# Altium PCB ESC_type_6_000.PcbDoc (part 3 of 3)
Units mil, origin at the board's own origin, x right, y up, seen from the top; angles counter-clockwise.
Board outline 2362.34 x 2362.34 mil, 4 copper layers (Top Layer, Signal Layer 1, Signal Layer 2, Bottom Layer), stack 65.634 mil thick; 137 components, 109 nets, 523 pads, 654 vias.
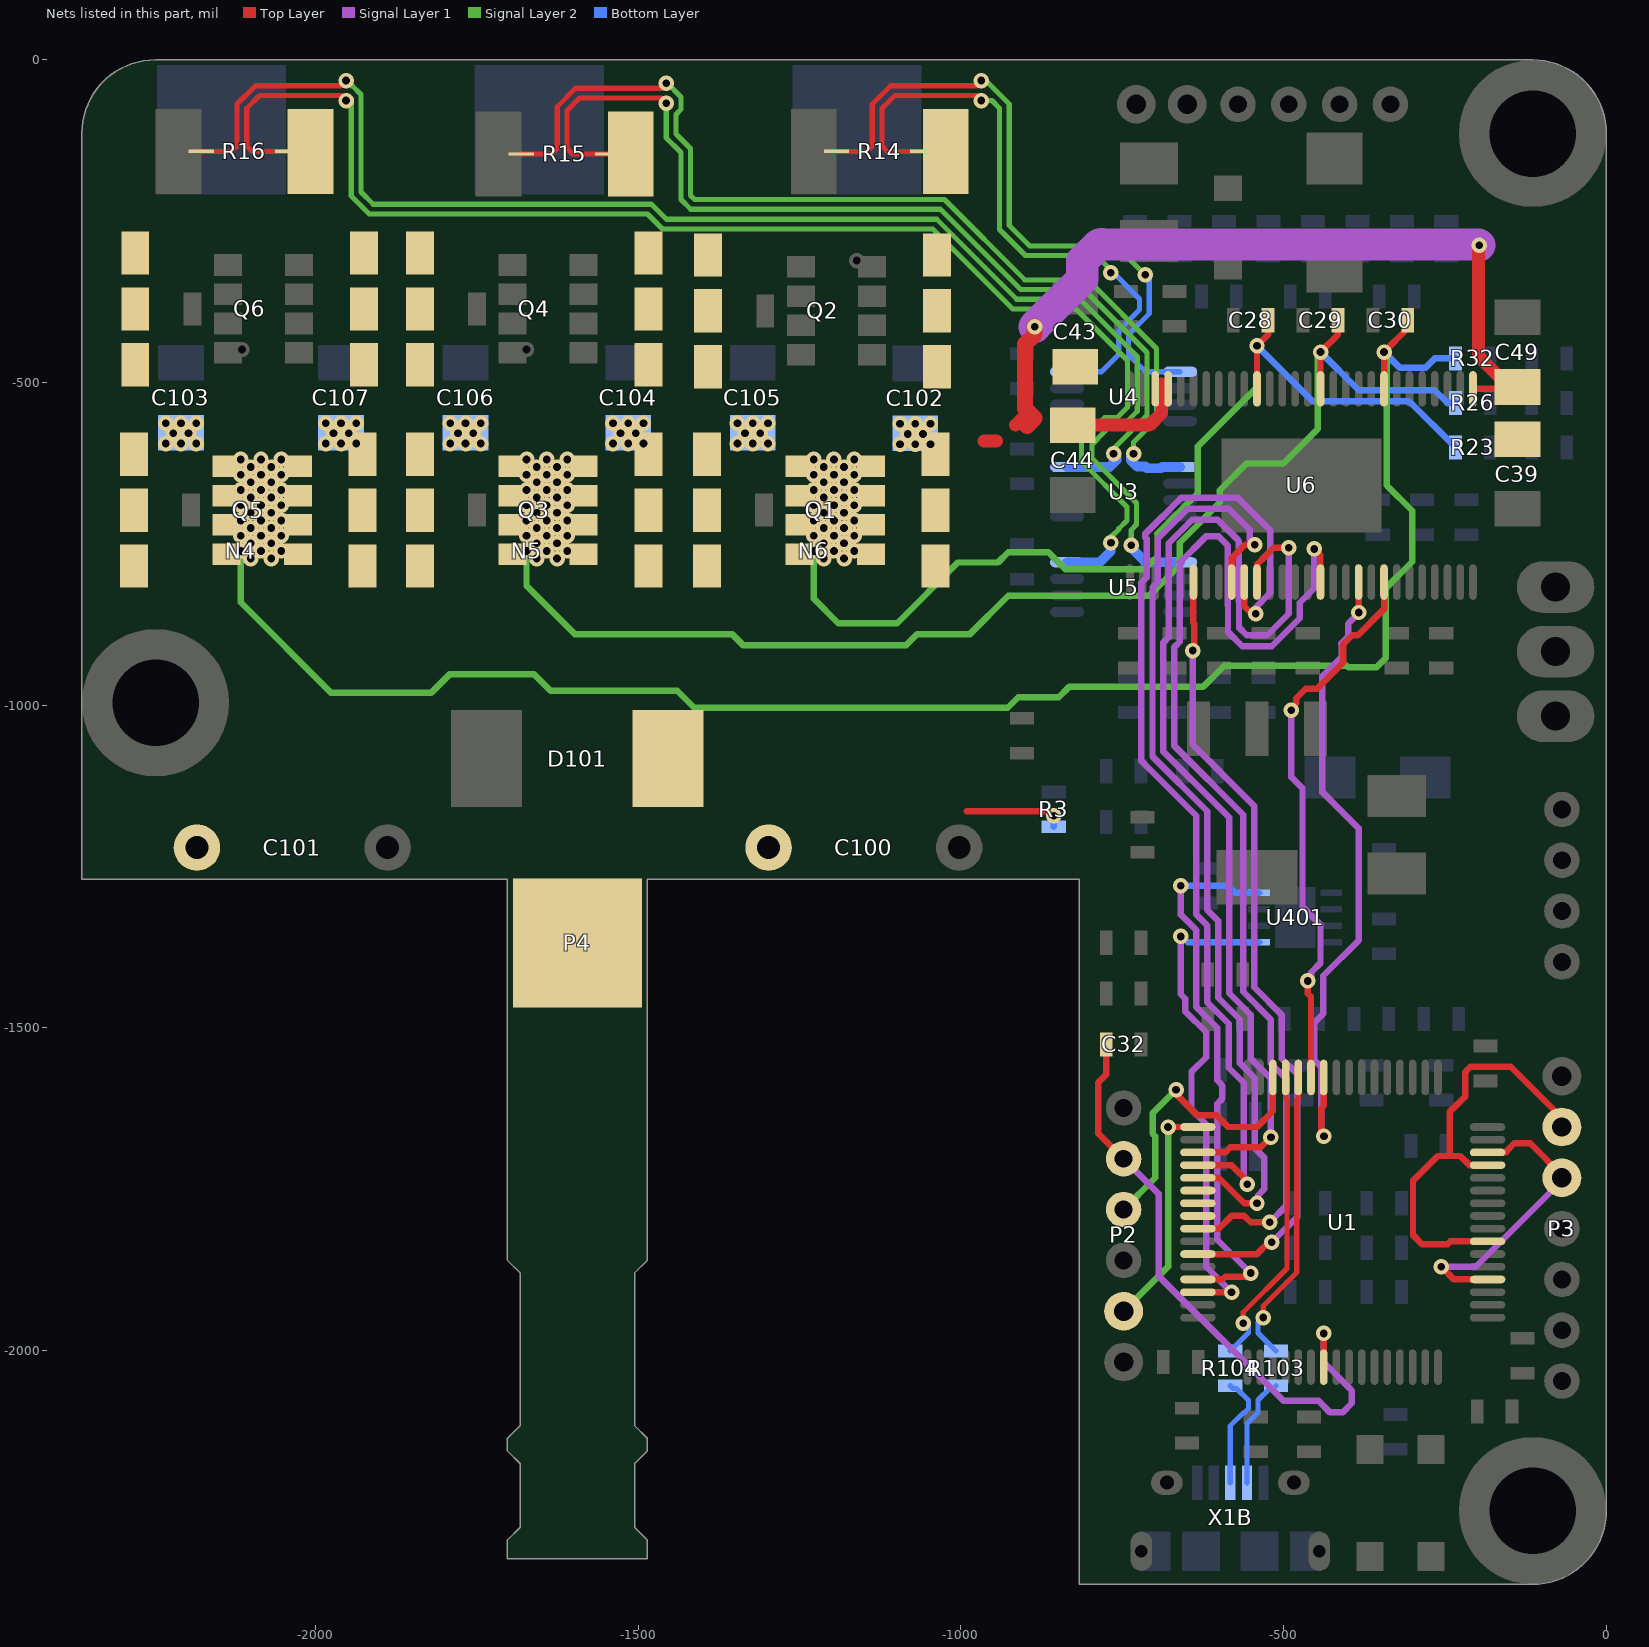
[diagram p5: the nets of this part, all layers, seen from the top]

## Via types
v1: diameter 24, hole 12, Top Layer to Bottom Layer, tented both sides, 654 vias

## Nets (pads, with @x,y where several pads share a name; then routed paths per layer and width w, separated by ;. In a path a pad name is that pad's centre, name@x,y a point inside that pad or via, vN(x,y) a via of type N, cw(c..) or ccw(c..) an arc to the next point about the centre after c; other vN are vias at no path point) (continued)
NetU1_42: U1.42 U6.19 | length 1062
  Top Layer w10: U1.42@-437.99,-1604.06 U1.42@-437.99,-1576.77 -437.68,-1577.08 -437.68,-1620.81 -441.8,-1624.93 -441.8,-1663.54 v1(-437.68,-1667.66) ; v1(-383.86,-856.3) U6.19@-383.86,-809.06
  Signal Layer 1 w10: v1(-437.68,-1667.66) -441.8,-1663.54 -441.8,-1560.64 -452.76,-1549.69 -452.76,-1492.13 -438.6,-1477.97 -438.6,-1419.12 -383.86,-1364.38 -383.86,-1190.94 -439.89,-1134.91 -439.89,-955 -410.19,-925.3 -410.19,-905.41 -410.8,-904.8 -410.8,-904 -399.92,-893.11 -399.92,-873.43 -383.86,-857.37 v1(-383.86,-856.3)
NetU1_43: U1.43 U6.21 | length 868.2
  Top Layer w10: v1@-488.19,-1004.45 -480.5,-996.76 -480.5,-989.12 -465.79,-974.41 -448.34,-974.41 -407.86,-933.92 -407.86,-905.41 -393.8,-891.35 -384.97,-891.35 -344.49,-850.87 U6.21@-344.49,-809.06 ; v1(-462.6,-1427.16) -462.6,-1446.85 -457.68,-1451.77 U1.43@-457.68,-1576.77
  Signal Layer 1 w10: v1(-488.19,-1007.87) -488.19,-1111.31 -470.81,-1128.68 -470.81,-1312.45 -442.91,-1340.34 -442.91,-1399.4 -457.23,-1413.71 -457.23,-1421.79 v1(-462.6,-1427.16)
NetU1_51: U1.51 U6.11 | length 1645.3
  Top Layer w10: U1.51@-632.87,-1692.91 -590.55,-1692.91 -582.68,-1685.04 -535.44,-1685.04 v1(-519.68,-1669.29) ; U6.11@-541.24,-781.87 -539.56,-780.19 -539.56,-779.98 -529.07,-769.5 -528.86,-769.5 -515.27,-755.91 v1(-492.13,-755.91)
  Signal Layer 1 w10: v1(-519.68,-1669.29) -519.68,-1578.92 -551.18,-1547.43 -551.18,-1479.66 -584.45,-1446.39 -584.45,-1174.08 -686.29,-1072.24 -686.29,-902.78 -678.22,-894.71 -678.22,-749.09 -641.73,-712.6 -602.38,-712.6 -570.87,-744.1 -569.46,-745.51 -569.46,-839.09 -569.24,-839.31 -569.24,-879.58 -557.35,-891.46 -525.32,-891.46 -492.13,-858.27 v1(-492.13,-755.91)
NetU1_52: U1.52 U6.10 | length 1615.3
  Top Layer w10: U1.52@-632.87,-1712.6 -580.71,-1712.6 -551.18,-1742.13 v1(-556.57,-1742.13) ; U6.10@-561.02,-809.06 -561.02,-846.46 -549.21,-858.27 v1(-543.31,-858.27)
  Signal Layer 1 w10: v1(-556.57,-1742.13) -561.76,-1736.95 -561.76,-1584.94 -585.18,-1561.51 -585.18,-1493.74 -618.45,-1460.47 -618.45,-1341.28 -635.45,-1324.28 -635.45,-1171.16 -720.47,-1086.14 -720.47,-810.18 -712.22,-801.93 -712.22,-742.03 -714.19,-740.06 -714.19,-733.87 -658.91,-678.6 -571.4,-678.6 -520.8,-729.2 -520.8,-825.92 -543.31,-848.42 v1(-543.31,-858.27)
NetU1_53: U1.53 U6.9 | length 1487.4
  Top Layer w10: U1.53@-632.87,-1732.28 -600.39,-1732.28 -561.02,-1771.65 v1(-541.34,-1771.65) ; U6.9@-580.71,-809.06 -580.71,-772.13 -559.86,-751.28 v1(-544.8,-751.28)
  Signal Layer 1 w10: v1(-544.8,-751.28) -544.94,-751.28 -552.46,-743.76 -552.46,-728.19 -585.06,-695.6 -648.77,-695.6 -695.22,-742.04 -695.22,-808.97 -703.29,-817.04 -703.29,-1079.28 -618.45,-1164.12 -618.45,-1317.24 -601.45,-1334.24 -601.45,-1453.43 -568.18,-1486.7 -568.18,-1554.47 -544.76,-1577.89 -544.76,-1686.08 -529.87,-1700.97 -529.87,-1749.36 -539.57,-1759.07
NetU1_54: U1.54
NetU1_55: U1.55
NetU1_56: U1.56
NetU1_57: U1.57 U6.16 | length 1773
  Top Layer w10: U1.57@-632.87,-1811.02 -600.39,-1811.02 -580.71,-1791.34 -561.02,-1791.34 -551.18,-1801.18 v1(-521.65,-1801.18) ; v1(-452.76,-757.87) -442.91,-767.72 U6.16@-442.91,-809.06
  Signal Layer 1 w10: v1(-521.65,-1801.18) -495.68,-1775.21 -495.68,-1578.88 -519.87,-1554.7 -519.87,-1486.93 -562.65,-1444.15 -562.65,-1169.76 -669.29,-1063.12 -669.29,-909.83 -661.22,-901.75 -661.22,-779.31 -620.4,-738.5 -600.52,-738.5 -586.46,-752.55 -586.46,-846.13 -586.24,-846.36 -586.24,-886.63 -564.4,-908.46 -518.28,-908.46 -475.13,-865.31 -475.13,-841.27 -452.76,-818.9 v1(-452.76,-757.87)
NetU1_59: U1.59 U6.6 | length 1217
  Top Layer w10: U6.6@-639.76,-809.06 -639.76,-872.37 -638.59,-873.54 -638.59,-903.17 ; U1.59@-632.87,-1850.39 -541.34,-1850.39 -523.13,-1832.18 v1(-518.45,-1832.18)
  Signal Layer 1 w10: v1(-640.88,-915.35) -640.88,-1060.91 -545.65,-1156.14 -545.65,-1437.1 -502.87,-1479.89 -502.87,-1547.66 -478.68,-1571.84 -478.68,-1792.42 v1(-518.45,-1832.18)
NetU1_61: U1.61 U401.4 | length 863.6
  Top Layer w10: U1.61@-632.87,-1889.76 -594.96,-1889.76 -590.65,-1885.45 -556.71,-1885.45 v1(-551.18,-1879.92)
  Signal Layer 1 w10: v1(-659.45,-1279.53) -659.45,-1324.32 -635.45,-1348.32 -635.45,-1467.52 -603.08,-1499.89 -603.08,-1581.22 -594.83,-1589.47 -594.83,-1609.35 -603.08,-1617.6 -603.08,-1828.02 v1(-551.18,-1879.92)
  Bottom Layer w10: v1(-659.45,-1279.53) -586.19,-1279.53 -575.37,-1290.35 U401.4@-538.19,-1290.35
NetU1_62: U1.62 U401.1 | length 779.7
  Top Layer w10: U1.62@-632.87,-1909.45 v1(-580.71,-1909.45)
  Signal Layer 1 w10: v1(-659.45,-1358.26) -659.45,-1447.87 -652.45,-1454.87 -652.45,-1474.56 -620.08,-1506.93 -620.08,-1545.28 -642.83,-1568.03 -642.83,-1626.37 -620.08,-1649.13 -620.08,-1870.08 v1(-580.71,-1909.45)
  Bottom Layer w10: v1(-659.45,-1358.26) -657.48,-1358.26 -648.62,-1367.13 U401.1@-538.19,-1367.13
NRST: C32.2 P2.5 U1.7 | length 974.4
  Top Layer w10: C32.2@-775.03,-1525.59 -775.03,-1572.28 -787.4,-1584.65 -787.4,-1607.25 -787.59,-1607.44 -787.59,-1663.2 P2.5@-748.03,-1702.76 ; U1.7@-437.99,-2025.59 v1(-437.99,-1973.43)
  Signal Layer 1 w10: P2.5@-748.03,-1702.76 -693.83,-1756.96 -693.83,-1884.34 -500.71,-2077.46 -446.64,-2077.46 -428.25,-2095.85 -408.37,-2095.85 -394.31,-2081.79 -394.31,-2061.91 -437.99,-2018.22 v1(-437.99,-1973.43)
RX_SCL_MOSI: P3.6 U1.23 U1.29 | length 685.4
  Top Layer w10: U1.23@-184.06,-1830.71 -241.65,-1830.71 -245.96,-1835.02 -285.53,-1835.02 -299.59,-1820.96 -299.59,-1736.6 -261.43,-1698.44 -243.86,-1698.44 ; U1.29@-184.06,-1712.6 -212.22,-1712.6 -212.22,-1712.5 -226.28,-1698.44 -243.86,-1698.44 ; P3.6@-68.9,-1653.54 -68.9,-1639.34 -147.97,-1560.28 -210.68,-1560.28 -218.79,-1568.38 -218.79,-1606.3 -242.92,-1630.43 -242.92,-1697.51 -243.86,-1698.44
SH_A: C28.2 N6.1 N6.2 Q1.S Q2.D R14.1 R23.2 U6.46 | length 1563.9
  Top Layer w10: U6.46@-541.34,-509.84 v1(-541.34,-442.91) -524.18,-425.76 C28.2@-524.18,-403.54
  Signal Layer 2 w10: N6.1@-1228.35,-760.83 -1228.35,-834.65 -1190.23,-872.76 -1098.84,-872.76 -1004.91,-778.83 -942.82,-778.83 -926.82,-762.83 -864.52,-762.83 -838.32,-789.03 -715.3,-789.03 -695.22,-768.95 -695.22,-734.98 -695.7,-734.5 -632.93,-671.73 -632.93,-598.99 -541.34,-507.4 v1(-541.34,-442.91)
  Bottom Layer w10: v1(-541.34,-442.91) -455.44,-528.81 -305.28,-528.81 R23.2@-233.69,-600.39
  other v1: -1212.6,-772.64 -1181.1,-772.64 -1196.85,-760.83 -1165.35,-760.83 -1212.6,-749.02 -1181.1,-749.02 -1228.35,-737.2 -1196.85,-737.2 -1165.35,-737.2 -1212.6,-725.39 -1181.1,-725.39 -1228.35,-713.58 -1196.85,-713.58 -1165.35,-713.58 -1212.6,-701.77 -1181.1,-701.77 -1228.35,-689.96 -1196.85,-689.96 -1165.35,-689.96 -1212.6,-678.15 -1181.1,-678.15 -1228.35,-666.34 -1196.85,-666.34 -1165.35,-666.34 -1212.6,-654.53 -1181.1,-654.53 -1228.35,-642.72 -1196.85,-642.72 -1165.35,-642.72 -1212.6,-630.91 -1181.1,-630.91 -1228.35,-619.09 -1196.85,-619.09 -1165.35,-619.09
SH_A_N: R14.4 U4.1 | length 1027.5
  Top Layer w8: R14.4@-1192.91,-141.73 -1145.67,-141.73 -1137.42,-133.48 -1137.42,-68.59 -1108.95,-40.12 -976.38,-40.12 -968.5,-32.24 v1(-968.5,-32.12)
  Signal Layer 2 w8: v1(-968.5,-32.12) -961.67,-32.12 -925.2,-68.59 -925.2,-256.65 -893.7,-288.15 -759.36,-288.15 v1(-714.67,-332.84)
  Bottom Layer w8: v1(-714.67,-332.84) -708.21,-339.3 -708.21,-393.24 -740.53,-425.57 -740.53,-456.69 -713.96,-483.27 U4.1@-660.43,-483.27
SH_A_P: R14.3 U4.8 | length 966.8
  Top Layer w8: R14.3@-1059.06,-141.73 -1114.17,-141.73 -1122.42,-133.48 -1122.42,-74.8 -1102.74,-55.12 -976.38,-55.12 -968.5,-62.99 v1(-968.5,-63.12)
  Signal Layer 2 w8: v1(-968.5,-63.12) -951.88,-63.12 -940.2,-74.8 -940.2,-262.87 -899.91,-303.15 -790.65,-303.15 -768.09,-325.7 v1(-768.09,-329.98)
  Bottom Layer w8: U4.8@-835.63,-483.27 -782.11,-483.27 -755.53,-456.69 -755.53,-419.36 -723.21,-387.03 -723.21,-370.59 -763.81,-329.98 v1(-768.09,-329.98)
SH_B: C29.2 N5.1 N5.2 Q3.S Q4.D R15.1 R26.2 U6.41 | length 1968.8
  Top Layer w10: U6.41@-442.91,-509.84 v1(-442.91,-452.76) -415.91,-425.76 C29.2@-415.91,-403.54
  Signal Layer 2 w10: N5.1@-1673.23,-760.83 -1673.23,-814.96 -1598.43,-889.76 -1354.75,-889.76 -1337.75,-906.76 -1084.76,-906.76 -1067.76,-889.76 -985.99,-889.76 -926.73,-830.51 -708.7,-830.51 -661.22,-783.03 -661.22,-748.1 -598.93,-685.81 -598.93,-666.7 -557.68,-625.45 -500.72,-625.45 -447.23,-571.95 -447.23,-457.07 v1(-442.91,-452.76)
  Bottom Layer w10: v1(-442.91,-452.76) -383.86,-511.81 -265.75,-511.81 -246.06,-531.5 R26.2@-233.69,-531.5
  other v1: -1657.48,-772.64 -1625.98,-772.64 -1641.73,-760.83 -1610.24,-760.83 -1657.48,-749.02 -1625.98,-749.02 -1673.23,-737.2 -1641.73,-737.2 -1610.24,-737.2 -1657.48,-725.39 -1625.98,-725.39 -1673.23,-713.58 -1641.73,-713.58 -1610.24,-713.58 -1657.48,-701.77 -1625.98,-701.77 -1673.23,-689.96 -1641.73,-689.96 -1610.24,-689.96 -1657.48,-678.15 -1625.98,-678.15 -1673.23,-666.34 -1641.73,-666.34 -1610.24,-666.34 -1657.48,-654.53 -1625.98,-654.53 -1673.23,-642.72 -1641.73,-642.72 -1610.24,-642.72 -1657.48,-630.91 -1625.98,-630.91 -1673.23,-619.09 -1641.73,-619.09 -1610.24,-619.09
SH_B_N: R15.4 U3.1 | length 1597.6
  Top Layer w8: R15.4@-1681.1,-145.67 -1633.86,-145.67 -1625.61,-137.42 -1625.61,-72.53 -1597.14,-44.06 -1464.57,-44.06 -1456.69,-36.18 v1(-1456.69,-36.06)
  Signal Layer 2 w8: v1(-1456.69,-36.06) -1455.17,-36.06 -1433.69,-57.53 -1433.69,-76.58 -1441.69,-84.58 -1441.69,-114.85 -1419.06,-137.49 -1419.06,-210 -1412.52,-216.54 -1025.56,-216.54 -901.27,-340.83 -803.16,-340.83 -696.91,-447.09 -696.91,-472.31 -696.85,-472.36 -696.85,-556.8 -732.53,-592.48 v1(-732.53,-610.24)
  Bottom Layer w15: v1(-732.53,-610.24) -737.03,-614.74 -737.03,-620.08 -727.11,-630 -714.56,-630 -711.76,-632.8 -689.81,-632.8 -687.92,-630.91 U3.1@-660.43,-630.91
SH_B_P: R15.3 U3.8 | length 1552.2
  Top Layer w8: R15.3@-1547.24,-145.67 -1602.36,-145.67 -1610.61,-137.42 -1610.61,-78.74 -1590.93,-59.06 -1464.57,-59.06 -1456.69,-66.93 v1(-1456.69,-67.06)
  Signal Layer 2 w8: v1(-1456.69,-67.06) -1456.69,-121.06 -1434.06,-143.7 -1434.06,-216.21 -1418.73,-231.54 -1031.78,-231.54 -907.49,-355.83 -809.38,-355.83 -711.91,-453.3 -711.91,-550.64 -771.5,-610.24 v1(-763.53,-610.24)
  Bottom Layer w15: U3.8@-835.63,-630.91 -769.86,-630.91 -759.03,-620.08 -759.03,-614.74 v1(-763.53,-610.24)
SH_C: C30.2 N4.1 N4.2 Q5.S Q6.D R16.1 R32.2 U6.36 | length 2736.8
  Top Layer w10: U6.36@-344.49,-509.84 v1(-344.49,-452.76) -307.65,-415.91 C30.2@-307.65,-403.54
  Signal Layer 2 w10: N4.1@-2116.14,-760.83 -2116.14,-840.55 -1976.38,-980.31 -1820.58,-980.31 -1791.95,-951.68 -1662.1,-951.68 -1636.03,-977.76 -1439.5,-977.76 -1413.39,-1003.88 -927.57,-1003.88 -911.36,-987.67 -848.5,-987.67 -832.52,-971.7 -625.1,-971.7 -592.16,-938.76 -402.07,-938.76 -399.52,-941.32 -356.2,-941.32 -342.14,-927.26 -342.14,-818.99 -300.8,-777.66 -300.8,-698.72 -340.17,-659.35 -340.17,-457.07 v1(-344.49,-452.76)
  Bottom Layer w10: v1(-344.49,-452.76) -320.49,-476.76 -279.91,-476.76 -265.75,-462.6 R32.2@-233.69,-462.6
  other v1: -2100.39,-772.64 -2068.9,-772.64 -2084.65,-760.83 -2053.15,-760.83 -2100.39,-749.02 -2068.9,-749.02 -2116.14,-737.2 -2084.65,-737.2 -2053.15,-737.2 -2100.39,-725.39 -2068.9,-725.39 -2116.14,-713.58 -2084.65,-713.58 -2053.15,-713.58 -2100.39,-701.77 -2068.9,-701.77 -2116.14,-689.96 -2084.65,-689.96 -2053.15,-689.96 -2100.39,-678.15 -2068.9,-678.15 -2116.14,-666.34 -2084.65,-666.34 -2053.15,-666.34 -2100.39,-654.53 -2068.9,-654.53 -2116.14,-642.72 -2084.65,-642.72 -2053.15,-642.72 -2100.39,-630.91 -2068.9,-630.91 -2116.14,-619.09 -2084.65,-619.09 -2053.15,-619.09
SH_C_N: R16.4 U5.1 | length 2240.9
  Top Layer w8: R16.4@-2177.17,-141.73 -2129.92,-141.73 -2121.67,-133.48 -2121.67,-68.59 -2093.2,-40.12 v1@-1960.63,-40.12
  Signal Layer 2 w8: v1(-1952.76,-32.12) -1944.76,-40.12 -1943.23,-40.12 -1929.76,-53.59 -1929.76,-204.54 -1910.7,-223.6 -1479.7,-223.6 -1456.25,-247.05 -1037.48,-247.05 -913.7,-370.83 -815.59,-370.83 -726.91,-459.51 -726.91,-544.43 -751.98,-569.5 -771.5,-569.5 -778.53,-576.52 -778.53,-577.14 -797.22,-595.82 -797.22,-617.2 -727.89,-686.52 -727.89,-720.02 -736.22,-728.35 v1(-736.22,-751.97)
  Bottom Layer w15: v1@-737.91,-753.66 -713.02,-778.54 U5.1@-660.43,-778.54
SH_C_P: R16.3 U5.8 | length 2213.9
  Top Layer w8: R16.3@-2043.31,-141.73 -2098.43,-141.73 -2106.67,-133.48 -2106.67,-74.8 -2086.99,-55.12 -1960.63,-55.12 -1952.76,-62.99 v1(-1952.76,-63.12)
  Signal Layer 2 w8: v1(-1952.76,-63.12) -1947.49,-57.85 -1944.76,-60.58 -1944.76,-210.76 -1916.91,-238.6 -1485.91,-238.6 -1462.46,-262.05 -1043.69,-262.05 -919.91,-385.83 -821.8,-385.83 -741.91,-465.72 -741.91,-538.21 -758.19,-554.5 -777.72,-554.5 -813.3,-590.08 -813.3,-622.05 -813.58,-622.05 -742.89,-692.74 -742.89,-713.8 -755.65,-726.57 -755.65,-727.48 -765.03,-736.85 -765.94,-736.85 -769.19,-740.1 -767.72,-741.57 v1(-767.72,-748.03)
  Bottom Layer w15: U5.8@-835.63,-778.54 -785.36,-778.54 -767.72,-760.9 v1(-767.72,-748.03)
SWCLK: P2.2 U1.49 | length 360.2
  Top Layer w10: v1(-679.13,-1653.54) -669.29,-1653.54 U1.49@-632.87,-1653.54
  Signal Layer 2 w10: P2.2@-748.03,-1938.98 -679.13,-1870.08 v1(-679.13,-1653.54)
SWDIO: P2.4 U1.46 | length 462.8
  Top Layer w10: v1(-666.83,-1595.96) -666.83,-1602.37 -633.57,-1635.64 -603.8,-1635.64 -585.9,-1653.54 -541.34,-1653.54 -516.73,-1628.94 U1.46@-516.73,-1576.77
  Signal Layer 2 w10: P2.4@-748.03,-1781.5 -698.82,-1732.28 -698.82,-1667.79 -703.13,-1663.48 -703.13,-1632.26 v1(-666.83,-1595.96)
TX_SDA_NSS: P3.5 U1.20 U1.30 | length 473.6
  Top Layer w10: v1(-255.91,-1870.08) -236.22,-1889.76 U1.20@-184.06,-1889.76 ; U1.30@-184.06,-1692.91 -154.8,-1692.91 -154.8,-1690.94 -142.6,-1678.75 -118.01,-1678.75 -68.9,-1727.87 P3.5@-68.9,-1732.28
  Signal Layer 1 w10: v1(-255.91,-1870.08) -202.28,-1870.08 -68.9,-1736.7 P3.5@-68.9,-1732.28
USB_D_N: R103.2 U1.44 | length 461.2
  Top Layer w8: v1(-531.74,-1948.82) -531.74,-1930.91 -479.7,-1878.87 -479.7,-1610.67 -477.36,-1608.33 U1.44@-477.36,-1576.77
  Bottom Layer w8: v1(-531.74,-1948.82) -539.74,-1956.82 -539.74,-1972.63 R103.2@-511.81,-2000.56
USB_D_P: R104.2 U1.45 | length 473.4
  Top Layer w8: v1(-562.74,-1957.45) -562.74,-1940.7 -494.7,-1872.66 -494.7,-1610.67 -497.05,-1608.33 U1.45@-497.05,-1576.77
  Bottom Layer w8: R104.2@-582.68,-2000.56 -554.74,-1972.63 -554.74,-1956.82 -555.37,-1957.45 v1(-562.74,-1957.45)
USB_N: R103.1 X1B.2 | length 172.3
  Bottom Layer w8: X1B.2@-557.09,-2204.72 -557.09,-2167.13 -557.09,-2113.73 -539.74,-2096.39 -539.74,-2076.77 -521.53,-2058.56 -515.81,-2058.56 R103.1@-511.81,-2054.56
USB_P: R104.1 X1B.3 | length 177.6
  Bottom Layer w8: X1B.3@-582.68,-2204.72 -582.68,-2167.13 -582.68,-2116.58 -562.55,-2096.46 -561.02,-2096.46 -554.74,-2090.18 -554.74,-2076.77 -572.96,-2058.56 -578.68,-2058.56 R104.1@-582.68,-2054.56
VBATT: C39.1 C43.2 C44.2 C49.1 C100.1 C101.1 C102.1 C103.1 C104.2 C105.2 C106.1 C107.1 D101.K P4.1 Q1.D Q3.D Q5.D R3.2 U6.29 U6.53 U6.54 | length 1631.9
  Top Layer w10: -991.04,-1164.47 -863.09,-1164.47 v1(-856.3,-1171.26) ; U6.29@-206.69,-509.84 -140.75,-509.84 C49.1@-137.8,-506.89
  Top Layer w20: -964.57,-590.55 -944.88,-590.55 ; -915.35,-565.94 -905.51,-556.1 ; C44.2@-826.77,-565.94 -707.68,-565.94 -688.98,-547.24 -688.98,-501.97 ; v1(-196.85,-287.4) -198.23,-288.78 -198.23,-459.25 -150.59,-506.89 C49.1@-137.8,-506.89
  Top Layer w25: -897.64,-566.93 -885.83,-555.12 -900.96,-539.99 -900.96,-440.72 -885.83,-425.59 v1(-885.83,-413.39)
  Signal Layer 1 w50: v1(-885.83,-413.39) -812.09,-339.65 -812.09,-311.76 -786.32,-285.98 -782.04,-285.98 -781.49,-285.43 -780.94,-285.98 -198.27,-285.98 v1(-196.85,-287.4)
  Bottom Layer w10: R3.2@-856.3,-1188.42 v1(-856.3,-1171.26)
  other v1: -1094.49,-595.47 -1070.87,-595.47 -1047.24,-595.47 -2232.28,-594.49 -2208.66,-594.49 -2185.04,-594.49 -1984.25,-594.49 -1960.63,-594.49 -1937.01,-594.49 -1791.34,-594.49 -1767.72,-594.49 -1744.09,-594.49 -1539.37,-594.49 -1515.75,-594.49 -1492.13,-594.49 -1346.46,-594.49 -1322.83,-594.49 -1299.21,-594.49 -1082.68,-579.72 -1059.06,-579.72 -2220.47,-578.74 -2196.85,-578.74 -1972.44,-578.74 -1948.82,-578.74 -1779.53,-578.74 -1755.91,-578.74 -1527.56,-578.74 -1503.94,-578.74 -1334.65,-578.74 -1311.02,-578.74 -1094.49,-563.98 -1070.87,-563.98 -1047.24,-563.98 -2232.28,-562.99 -2208.66,-562.99 -2185.04,-562.99 -1984.25,-562.99 -1960.63,-562.99 -1937.01,-562.99 -1791.34,-562.99 -1767.72,-562.99 -1744.09,-562.99 -1539.37,-562.99 -1515.75,-562.99 -1492.13,-562.99 -1346.46,-562.99 -1322.83,-562.99 -1299.21,-562.99
pads on no net: M1.1 M2.1 M3.1 P2.6 U1.2 U1.3 U1.4 U1.28 U1.50 U3.4 U4.4 U5.4 U6.4 U6.5 U6.12 U6.25 U6.26 U6.55 X1B.4

## Polygon pours and split planes (outlines as drawn)
NetP7_1 on Bottom Layer "Top Layer-No Net" (solid, remove dead copper, pour order 47): -1934.06,13.78 -1934.06,-244.09 -1933.07,-245.08 -1478.35,-245.08 -1476.38,-243.11 -1476.38,23.62 -1491.14,38.39
NetP6_1 on Bottom Layer "Top Layer-No Net" (solid, remove dead copper, pour order 45): -2373.03,-245.08 -1973.43,-245.08 -1971.46,-243.11 -1971.46,19.68 -1996.06,44.29 -2018.7,21.65 -2385.83,21.65 -2393.7,13.78
GND on Bottom Layer "GND_L04_P016" (solid, remove dead copper, pour order 14): -974.41,-2549.21 -974.41,29.53 108.27,29.53 118.11,39.37 59.06,-19.68 59.06,-2716.54 -807.09,-2716.54
GND on Bottom Layer "Bottom Layer-No Net" (solid, remove dead copper, pour order 31): -2366.14,-1318.9 -2377.95,-1307.09 -2377.95,-248.03 -972.44,-248.03 -972.44,-1460.63
GND on Top Layer "GND_L01_P010" (solid, remove dead copper, pour order 27): -935.04,-1269.68 -935.04,49.21 167.32,49.21 167.32,-3001.97 49.21,-2883.86 -935.04,-2883.86
NetP6_1 on Top Layer "Top Layer-No Net" (solid, remove dead copper, pour order 43): -2247.05,-228.35 -2403.54,-228.35 -2412.4,-219.49 -2395.67,-202.76 -2395.67,-8.86 -2247.05,-8.86 -2191.93,-63.98 -2191.93,-89.57
SH_A on Top Layer "Bottom Layer-No Net" (solid, pour order 26): -1059.06,-74.8 -905.51,-74.8 -905.51,-236.22 -1000,-330.71 -1059.06,-330.71
SH_A on Top Layer "Bottom Layer-No Net" (solid, remove dead copper, pour order 22): -1429.13,-539.37 -976.38,-539.37 -976.38,-242.29 -1415.52,-242.29 -1429.13,-255.91
SH_B on Top Layer "Bottom Layer-No Net" (solid, pour order 24): -1547.24,-78.74 -1393.7,-78.74 -1393.7,-192.91 -1444.88,-244.09 -1547.24,-244.09
SH_B on Top Layer "Bottom Layer-No Net" (solid, pour order 20): -1877.95,-539.37 -1877.95,-235.36 -1444.88,-235.36 -1444.88,-539.37
VBATT on Top Layer "Bottom Layer-No Net" (solid, remove dead copper, pour order 29): -1688.98,-1299.21 -2417.32,-1299.21 -2401.57,-1283.46 -2401.57,-539.37 -940.94,-539.37 -937.01,-543.31 -937.01,-1468.5
SH_C on Top Layer "Bottom Layer-No Net" (solid, pour order 16): -2366.14,-236.22 -2366.14,-539.37 -1893.7,-539.37 -1893.7,-236.22
SH_C on Top Layer "Bottom Layer-No Net" (solid, pour order 18): -2043.31,-74.8 -1889.76,-74.8 -1889.76,-236.22 -1893.7,-240.16 -2043.31,-240.16
GND on Signal Layer 1 "GND_L02_P012" (solid, remove dead copper, pour order 10): -935.04,9.84 -935.04,-2509.84 -905.51,-2539.37 -885.83,-2519.68 127.95,-2519.68 127.95,177.17 118.11,187.01 88.58,157.48 -895.67,157.48
VBATT on Signal Layer 1 "Bottom Layer-No Net" (solid, remove dead copper, pour order 33): -2362.2,-1269.68 -2362.2,-535.43 -984.25,-535.43 -972.44,-547.24 -972.44,-1271.65
GND on Signal Layer 1 "Bottom Layer-No Net" (solid, remove dead copper, pour order 35): -2366.14,-527.56 -2366.14,-255.91 -1011.81,-255.91 -1011.81,-558.4 -1011.15,-559.06 -2598.43,-559.06
NetP6_1 on Signal Layer 1 "Bottom Layer-No Net" (solid, remove dead copper, pour order 37): -2366.14,-251.97 -1909.45,-251.97 -1909.45,55.12 -2480.32,55.12
NetP7_1 on Signal Layer 1 "Bottom Layer-No Net" (solid, remove dead copper, pour order 39): -1901.57,-248.03 -1901.57,11.81 -1425.2,11.81 -1425.2,-440.94
NetP9_1 on Signal Layer 1 "Bottom Layer-No Net" (solid, remove dead copper, pour order 41): -1421.26,-251.97 -1417.32,-248.03 -1417.32,15.75 -944.88,15.75 -944.88,-251.97
GND on Signal Layer 2 "GND_L03_P014" (solid, remove dead copper, pour order 12): -2759.84,-2519.68 -2759.84,127.95 275.59,127.95 275.59,-2362.2 118.11,-2519.68
NetP6_1 on Signal Layer 2 "Signal Layer 2-No Net" (solid, remove dead copper, pour order 49): -2224.41,-123.93 -2212.6,-112.12 -2212.6,8.86 -2398.62,8.86 -2414.37,-6.89 -2414.37,-144.68

## Keep-outs
Keep-Out Layer:
  lines w7: -2362.21,-114.17 -2362.21,-1269.68 -1702.76,-1269.68 ; -2248.03,0 -114.24,0 ; -1486.22,-1269.68 -816.93,-1269.68 -816.93,-2362.2 -114.17,-2362.2 ; 0,-2248.03 0,-114.17
  lines w7.01: -2362.27,-114.17 cw(c-2248.03,-114.17) -2248.03,0.07 ; -1702.76,-1269.68 -1702.76,-1860.24 -1683.07,-1879.92 -1683.07,-2116.14 ; -1486.22,-1269.68 -1486.22,-1860.24 -1505.91,-1879.92 -1505.91,-2116.14 -1486.22,-2135.83 -1486.22,-2155.51 -1505.91,-2175.2 -1505.91,-2273.62 -1486.22,-2293.31 -1486.22,-2322.83 -1702.76,-2322.83 -1702.76,-2293.31 -1683.07,-2273.62 -1683.07,-2175.2 -1702.76,-2155.51 -1702.76,-2135.83 -1683.07,-2116.14 ; -114.24,0.07 cw(c-114.24,-114.17) 0,-114.17 ; -114.17,-2362.27 ccw(c-114.17,-2248.03) 0.07,-2248.03 ; -1683.07,-2116.14 -1683.07,-2116.14

## Other copper
Top Layer:
  rectangle net GND: -805.12,-310.04 -753.2,-231.08
  rectangle net NetP9_1: -1384.84,-228.35 -1193.9,-7.87
  rectangle net NetP6_1: -2247.05,-228.35 -2177.17,-8.86
  rectangle net NetP7_1: -1880.91,-228.02 -1681.1,-7.87
  rectangle net VBATT: -212.6,-618.11 -102.36,-476.38
  rectangle net SH_A: -1277.56,-787.4 -1116.14,-539.37
  rectangle net SH_B: -1722.44,-787.4 -1561.02,-539.37
  rectangle net GND: -1273.62,-479.33 -1112.2,-298.23
  rectangle net GND: -1720.47,-476.38 -1559.06,-295.28
  rectangle net GND: -2161.42,-476.38 -2000,-295.28
  rectangle net SH_C: -2165.35,-787.4 -2003.94,-539.37
  rectangle net VBATT: -985.91,-600.39 -787.4,-527.56
  rectangle net VBATT: -858.27,-559.06 -787.4,-500
  rectangle net VBATT: -704.72,-589.57 -673.23,-484.25
  rectangle net VBATT: -787.4,-589.57 -703.49,-544.83
  rectangle net VBATT: -212.6,-476.38 -181.1,-263.78
  rectangle net SH_C: -2165.35,-240.16 -2012.8,-155.31
  rectangle net SH_B: -1670.28,-239.17 -1526.57,-158.46
  rectangle net SH_A: -1185.04,-252.44 -1047.24,-156.5
Signal Layer 1:
  rectangle net GND: -1789.21,-1159.45 -1679.3,-1007.91
  rectangle net SH_C: -2145.67,-787.4 -2007.87,-606.3
  rectangle net SH_B: -1708.66,-787.4 -1562.99,-606.3
  rectangle net SH_A: -1275.59,-783.46 -1118.11,-606.3
  rectangle net GND: -1681.1,-456.69 -1641.73,-425.2
  rectangle net GND: -2122.05,-456.69 -2082.68,-425.2
  rectangle net GND: -1194.88,-333.66 -1161.42,-311.02
  rectangle net GND: -2146.67,-486.22 -2068.9,-404.53
  rectangle net GND: -1705.72,-486.22 -1625,-404.53
  rectangle net GND: -1193.91,-348.43 -1113.19,-266.73
Signal Layer 2:
  rectangle net SH_C: -2145.67,-787.4 -2006.9,-577.7
  rectangle net SH_B: -1708.09,-787.16 -1562.02,-579.78
  rectangle net SH_A: -1275.59,-783.46 -1118.11,-570.87
  rectangle net GND: -2114.17,-460.63 -2082.68,-425.2
  rectangle net GND: -1673.23,-460.63 -1641.73,-425.2
  region net GND: -1251.41,-291.34 -1282.9,-291.34 -1282.9,-326.77 -1251.41,-326.77
  rectangle net NetP7_1: -1881.89,-212.6 -1484.25,-11.81
  rectangle net NetP6_1: -2350.92,-238.6 -2175.17,-101.02
  rectangle net NetP9_1: -1387.48,-204.72 -989.17,-12.3
  rectangle net NetP6_1: -2229.33,-101.02 -2175.17,-8.86
Bottom Layer:
  rectangle net SH_C: -2116.14,-767.72 -2051.18,-619.09
  rectangle net SH_B: -1673.23,-767.72 -1608.27,-619.09
  rectangle net SH_A: -1228.35,-767.72 -1163.39,-619.09
  rectangle net GND: -1696.85,-480.32 -1641.73,-425.2
  rectangle net GND: -2137.8,-480.32 -2082.68,-425.2
  rectangle net GND: -1185.04,-342.52 -1129.92,-287.4

## Silkscreen, mask and mechanical layers (free items; w line width, h text height)
Top Overlay:
  text "5V" at -748.03,-29.53 h20
  text "Temp" at -688.97,-29.52 h20
  text "H1" at -580.7,-29.52 h20
  text "H2" at -511.81,-29.52 h20
  text "H3" at -433.07,-29.52 h20
  text "GND" at -364.17,-29.52 h20
  text "GND" at -98.43,-1086.61 h20
  text "5V" at -37.4,-1129.91 h20 r270
  text "CANH" at -37.4,-1188.97 h20 r270
  text "+ + + + +" at -1775.59,-1251.97 h40
  text "CANL" at -35.43,-1279.53 h20 r270
  text "GND" at -37.4,-1375.98 h20 r270
  text "ADC2" at -11.81,-1598.43 h20 r90
  text "RST" at -803.14,-1665.35 h20 r270
  text "RX" at -11.81,-1673.23 h20 r90
  text "DIO" at -803.14,-1744.09 h20 r270
  text "TX" at -11.81,-1755.91 h20 r90
  text "GND" at -803.14,-1832.67 h20 r270
  text "ADC" at -11.81,-1834.65 h20 r90
  text "CLK" at -803.14,-1911.41 h20 r270
  text "GND" at -11.81,-1913.39 h20 r90
  text "3V3" at -803.14,-1990.15 h20 r270
  text "3V3" at -11.81,-2000 h20 r90
  text "5V" at -11.81,-2070.87 h20 r90
  text "POSITIVE" at -1574.8,-2165.35 h60 r90
Bottom Overlay:
  lines w7: -482.28,-1159.45 -230.31,-1159.45 -230.31,-1064.96 -482.28,-1064.96 -482.28,-1159.45
  lines w10: -339.41,-1142.79 -339.41,-1083.74 ; -339.41,-1113.27 -368.94,-1142.79 -368.94,-1083.74 -339.41,-1113.27 ; -339.41,-1113.27 -339.41,-1113.27
  lines w19.68: -2255.91,-15.75 -2255.91,-220.47 -2035.43,-220.47 -2035.43,-15.75 ; -1763.78,-15.75 -1763.78,-220.47 -1543.31,-220.47 -1543.31,-15.75 ; -1271.65,-15.75 -1271.65,-220.47 -1051.18,-220.47 -1051.18,-15.75
  text "PWM" at -157.48,-787.4 h20 r90
  text "5V" at -157.48,-905.51 h20 r90
  text "GND" at -157.48,-984.25 h20 r90
  text "NEG" at -1702.76,-1190.94 h60 r315
  text "- - - - - -" at -1704.72,-1263.78 h20
  text "ADC2" at -118.11,-1535.43 h20 r90
  text "RX" at -118.11,-1633.86 h20 r90
  text "TX" at -118.11,-1712.6 h20 r90
  text "NEGATIVE" at -1574.8,-1732.28 h60 r90
  text "ADC" at -118.11,-1791.34 h20 r90
  text "GND" at -118.11,-1870.08 h20 r90
  text "3V3" at -118.11,-1948.82 h20 r90
  text "5V" at -118.11,-2027.56 h20 r90
Assy TOP:
  lines w10: -661.42,-767.72 -661.42,-728.35 ; -771.65,-775.59 -771.65,-720.47 -602.36,-720.47 -602.36,-775.59 -771.65,-775.59 ; -771.65,-381.89 -771.65,-287.4 -590.55,-287.4 -590.55,-381.89 -771.65,-381.89 ; -688.98,-763.78 -688.98,-736.22 -665.35,-748.03 -688.98,-763.78
  text "D4" at -748.03,-759.84 h19.68
Assy BOT:
  lines w10: -1702.76,-1476.38 -1702.76,-1269.68 -1486.22,-1269.68 -1486.22,-1476.38 ; -366.77,-2065.98 -286.77,-2185.98 -366.77,-2185.98 -286.77,-2065.98 ; -283.46,-1204.72 -232.28,-1204.72 ; -2362.2,-755.91 -2153.54,-755.91 -2153.54,-653.54 -2362.2,-653.54 -2362.2,-755.91 ; -2362.2,-665.35 -2153.54,-665.35 -2153.54,-562.99 -2362.2,-562.99 -2362.2,-665.35 ; -2251.97,-216.54 -2043.31,-216.54 -2043.31,-3.94 -2251.97,-3.94 -2251.97,-216.54 ; -2149.61,-570.87 -1838.58,-570.87 -1838.58,-259.84 -2149.61,-259.84 -2149.61,-570.87 ; -1972.44,-681.1 -1763.78,-681.1 -1763.78,-578.74 -1972.44,-578.74 -1972.44,-681.1 ; -1759.84,-216.54 -1551.18,-216.54 -1551.18,-3.94 -1759.84,-3.94 -1759.84,-216.54 ; -1531.5,-681.1 -1531.5,-578.74 -1322.83,-578.74 -1322.83,-681.1 -1531.5,-681.1 ; -1464.57,-570.87 -1464.57,-259.84 -1153.54,-259.84 -1153.54,-570.87 -1464.57,-570.87 ; -1267.72,-216.54 -1267.72,-3.94 -1059.06,-3.94 -1059.06,-216.54 -1267.72,-216.54 ; -1255.91,-744.09 -1047.24,-744.09 -1047.24,-641.73 -1255.91,-641.73 -1255.91,-744.09 ; -1255.91,-657.48 -1047.24,-657.48 -1047.24,-555.12 -1255.91,-555.12 -1255.91,-657.48 ; -787.4,-2350.39 -787.4,-2118.11 -381.89,-2118.11 -381.89,-2350.39 -787.4,-2350.39 ; -641.73,-1318.9 -641.73,-1019.68 -334.65,-1019.68 -334.65,-1318.9 -641.73,-1318.9 ; -299.21,-1299.21 -299.21,-1047.24 -212.6,-1047.24 -212.6,-1299.21 -299.21,-1299.21 ; -283.46,-1153.54 -228.35,-1153.54 -257.87,-1204.72 -283.46,-1153.54
  text "H3" at -2106.3,-185.04 h60
  text "H2" at -1614.17,-185.04 h60
  text "H1" at -1122.05,-185.04 h60
  text "R53" at -1913.39,-519.68 h60
  text "R54" at -1228.35,-519.68 h60
  text "C102" at -1062.99,-625.98 h47.24
  text "C106" at -2169.29,-633.86 h47.24
  text "C105" at -1779.53,-649.61 h47.24
  text "C105" at -1338.58,-649.61 h47.24
  text "C103" at -1062.99,-712.6 h47.24
  text "C107" at -2169.29,-724.41 h47.24
  text "D5" at -224.41,-1125.98 h39.37
  text "L1" at -448.82,-1204.72 h60
  text "GND" at -1515.75,-1405.51 h60
  text "X1B" at -496.06,-2267.72 h60
Pinout:
  circle w13.78: c-68.9,-2047.24 r19.68
  circle w13.78: c-68.9,-1968.5 r19.68
  circle w13.78: c-68.9,-1889.76 r19.68
  circle w13.78: c-68.9,-1811.02 r19.68
  circle w13.78: c-68.9,-1732.28 r19.68
  circle w13.78: c-68.9,-1653.54 r19.68
  circle w13.78: c-68.9,-1574.8 r19.68
  circle w13.78: c-68.9,-1397.64 r19.68
  circle w13.78: c-68.9,-1318.9 r19.68
  circle w13.78: c-68.9,-1240.16 r19.68
  circle w13.78: c-68.9,-1161.42 r19.68
  circle w13.78: c-78.74,-1016.93 r19.68
  circle w13.78: c-78.74,-916.93 r19.68
  circle w13.78: c-78.74,-816.93 r19.68
  circle w13.78: c-334.64,-68.89 r19.68
  circle w13.78: c-413.38,-68.89 r19.68
  circle w13.78: c-492.12,-68.89 r19.68
  circle w13.78: c-570.86,-68.89 r19.68
  circle w13.78: c-649.6,-68.89 r19.68
  circle w13.78: c-728.34,-68.89 r19.68
  circle w13.78: c-748.03,-2017.72 r19.68
  circle w13.78: c-748.03,-1938.98 r19.68
  circle w13.78: c-748.03,-1860.24 r19.68
  circle w13.78: c-748.03,-1781.5 r19.68
  circle w13.78: c-748.03,-1702.76 r19.68
  circle w13.78: c-748.03,-1624.02 r19.68
  lines w10: -2362.27,-114.17 cw(c-2248.03,-114.17) -2248.03,0.07 -2248.03,0 -114.24,0 -114.24,0.07 cw(c-114.24,-114.17) 0,-114.17 0,-2248.03 0.07,-2248.03 cw(c-114.17,-2248.03) -114.17,-2362.27 -114.17,-2362.2 -816.93,-2362.2 -816.93,-1269.68 -1486.22,-1269.68 -1486.22,-2322.83 -1702.76,-2322.83 -1702.76,-1269.68 -2362.21,-1269.68 -2362.21,-114.17 -2362.27,-114.17
  text "5V0" at -748.03,39.37 h60 r270
  text "TEMP" at -669.29,39.37 h60 r270
  text "H1" at -590.55,39.37 h60 r270
  text "H2" at -511.81,39.37 h60 r270
  text "H3" at -433.07,39.37 h60 r270
  text "GND" at -354.33,39.37 h60 r270
  text "PPM" at 196.85,-826.77 h60
  text "5V0" at 196.85,-944.88 h60
  text "GND" at 196.85,-1062.99 h60
  text "5V0" at 196.85,-1181.1 h60
  text "CANH" at 236.22,-1259.84 h60
  text "CANL" at 236.22,-1338.58 h60
  text "GND" at 196.85,-1417.32 h60
  text "ADC2-MISO" at 551.18,-1614.17 h60
  text "NC" at -866.14,-1653.54 h60
  text "Rx-SCL-MOSI" at 669.29,-1692.91 h60
  text "NRST" at -866.14,-1732.28 h60
  text "Tx-SDA-SS" at 551.18,-1771.65 h60
  text "SWDIO" at -866.14,-1811.02 h60
  text "SCK-ADC1" at 472.44,-1850.39 h60
  text "GND" at -866.14,-1889.76 h60
  text "GND" at 196.85,-1929.13 h60
  text "SWCLK" at -866.14,-1968.5 h60
  text "3V3" at 196.85,-2007.87 h60
  text "3V3" at -866.14,-2047.24 h60
  text "5V0" at 196.85,-2086.61 h60
Test Jig:
  circle w10: c-1161.42,-108.27 r50
  circle w10: c-1653.54,-108.27 r50
  circle w10: c-2145.67,-108.27 r50
  circle w10: c-2248.03,-996.06 r114.17
  circle w10: c-114.17,-114.17 r114.17
  circle w10: c-114.17,-2248.03 r114.17
  circle w10: c-78.74,-816.93 r39.37
  circle w10: c-78.74,-916.93 r39.37
  circle w10: c-78.74,-1016.93 r39.37
  circle w10: c-748.03,-1624.02 r30
  circle w10: c-748.03,-1702.76 r30
  circle w10: c-748.03,-1781.5 r30
  circle w10: c-748.03,-1860.24 r30
  circle w10: c-748.03,-1938.98 r30
  circle w10: c-748.03,-2017.72 r30
  circle w10: c-1318.9,-1092.52 r50
  circle w10: c-1870.08,-1092.52 r50
  lines w10: -114.17,-2248.03 153.54,-2488.19
  text "TOP VIEW mm" at -1295.28,338.58 h60
  text "MOT3" at -2248.03,-255.91 h60
  text "MOT2" at -1755.91,-255.91 h60
  text "MOT1" at -1263.78,-255.91 h60
  text "PWM" at 43.31,-851.18 h60
  text "5V0" at 43.31,-951.18 h60
  text "VBATT" at -1456.69,-980.31 h60
  text "GND" at -1944.88,-988.19 h60
  text "GND" at 43.31,-1051.18 h60
  text "NC" at -1051.18,-1657.48 h60
  text "NRST" at -1051.18,-1736.22 h60
  text "DIO" at -1051.18,-1814.96 h60
  text "GND" at -1051.18,-1893.7 h60
  text "CLK" at -1051.18,-1972.44 h60
  text "3V3" at -1051.18,-2051.18 h60
  text "0,0" at 188.98,-2547.24 h60

## Dimensions
-78.74,-1016.93 to -114.17,-2248.03 on Mechanical 16
-114.17,-2248.03 to -1161.42,-108.27 on Mechanical 16
-114.17,-2248.03 to -2145.67,-108.27 on Mechanical 16
-1653.54,-108.27 to -1161.42,-108.27 on Mechanical 16
-2145.67,-108.27 to -1653.54,-108.27 on Mechanical 16
-78.74,-1016.93 to -78.74,-916.93 on Mechanical 16
-114.17,-2248.03 to -78.74,-1016.93 on Mechanical 16
-114.17,-2248.03 to -748.03,-2017.72 on Mechanical 16
-748.03,-2017.72 to -748.03,-1938.98 on Mechanical 16
-114.17,-2248.03 to -748.03,-2017.72 on Mechanical 16
-114.17,-2248.03 to -2248.03,-996.06 on Mechanical 16
-114.17,-2248.03 to -2248.03,-996.06 on Mechanical 16
-114.17,-2248.03 to -114.17,-114.17 on Mechanical 16

## Text inside footprints (layer, text, board x,y; h text height)
C100: Bottom Overlay "+" at -1240.16,-1185.04 h60 r180; Bottom Overlay "-" at -944.88,-1185.04 h60 r180; Assy BOT "This side" at -1256.69,-1145.67 h25 r180
C101: Bottom Overlay "-" at -1834.65,-1181.1 h60 r180; Bottom Overlay "+" at -2129.92,-1188.98 h60 r180; Assy BOT "This side" at -2142.52,-1145.67 h25 r180
X1B: Mechanical 1 "edge" at -479.72,-2466.73 h60